# Altium PCB PCB_Tesis.PcbDoc
Units mil, origin at the board's own origin, x right, y up, seen from the top; angles counter-clockwise.
Board outline 3270.03 x 1044.02 mil, 2 copper layers (Top Layer, Bottom Layer); 36 components, 59 nets, 182 pads, 0 vias.
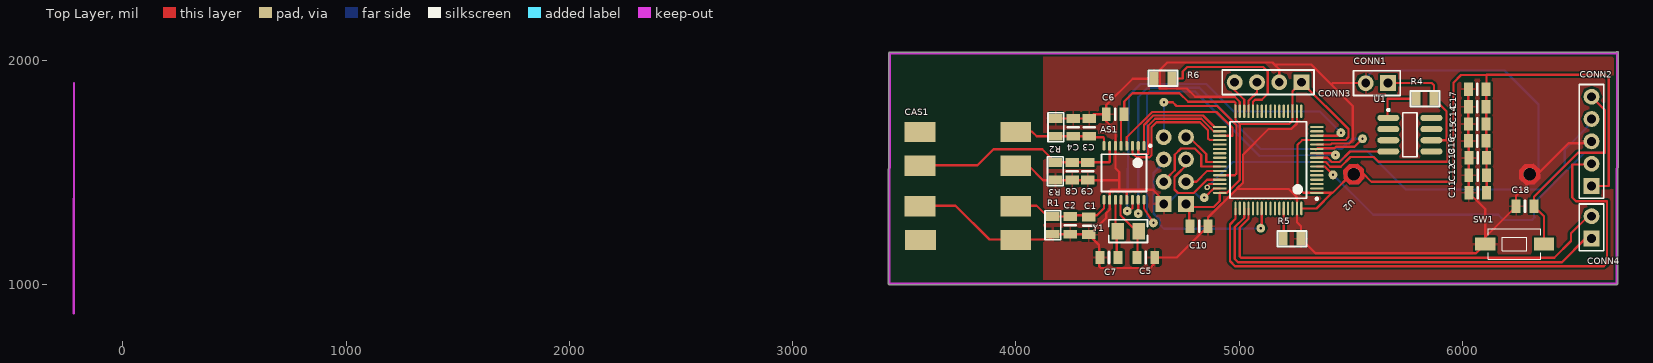
[diagram p0: Top Layer view]
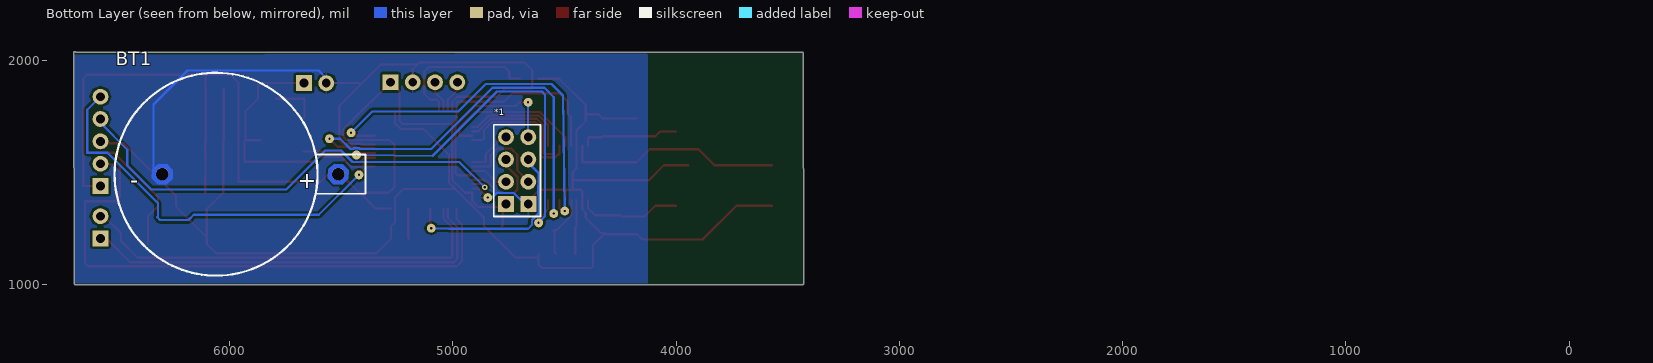
[diagram p1: Bottom Layer view, seen from below]

## Layer stack, top to bottom
Top Solder: solder mask 0.4, Solder Resist, Dk 3.5
Top Layer: signal copper 1.4
Dielectric 1: dielectric 12.6, FR-4, Dk 4.8
Bottom Layer: signal copper 1.4
Bottom Solder: solder mask 0.4, Solder Resist, Dk 3.5

## Board outline
3428.99,1002.01 ccw(c3434,1002) 3434,996.99 6690,996.99 ccw(c6690,1002) 6694.4,999.6 ccw(c6692,1004) 6697.02,1003.99 6699.02,2035.99 ccw(c6694,2036) 6699.02,2036 ccw(c6694,2036) 6689.99,2039.02 3436,2039.02 ccw(c3436,2034) 3430.99,2034.01

## Design rules (kind name [scope] priority, off if disabled: settings)
Clearance [All] p1: gap=10 ignorepadtopadclearanceinfootprint=FALSE except(0: Via-Hole Fill-Hole Poly-Hole Region-Hole Text-Hole; 5: Arc-Arc Arc-Track Arc-SMDPad Arc-THPad Arc-Via Arc-Text Arc-Hole Track-Track Track-SMDPad Track-THPad Track-Via Track-Text Track-Hole SMDPad-SMDPad SMDPad-THPad SMDPad-Via SMDPad-Text SMDPad-Hole THPad-THPad THPad-Via THPad-Text THPad-Hole)
PolygonConnect [All] p1: connectstyle=Relief reliefconductorwidth=10 reliefentries=4 polygonreliefangle="90 Angle" airgapwidth=10
RoutingVias [All] p1: holewidth=28 width=50 viastyle="Through Hole" minholewidth=28 minwidth=50 maxholewidth=28 maxwidth=50
SolderMaskExpansion [All] p1: expansion=4
Width [All] p1: maxlimit=10 minlimit=5 preferedwidth=10 minimp=50.000000 maximp=50.000000 favimp=50.000000
30 further rules are at their usual default settings.

## Classes and differential pairs
component class "Top Sheet": CONN1 CONN2 CONN3 CONN4
component class STM32L152: BT1 C11 C12 C13 C14 C15 C16 C17 C18 R5 R6 SW1 U2
component class NRF24l01: *1 C10
component class LM334: R4 U1
component class AS3933: AS1 C1 C2 C3 C4 C5 C6 C7 C8 C9 CAS1 R1 R2 R3 Y1

## Components (designator, comment, footprint, x,y, rotation, side; value= is the part's Value field where it differs from the comment)
*1 "NRF24l01" NRF24l01 4662,1358 r0 bottom
AS1 "" TSOP65P640X110-16N 4484.23,1498 r270 top
BT1 "Battery" CR2032 6061.05,1492 r180 bottom
C1 "15pF" SMD-0805C 4327.01,1261 r180 top
C2 "330pF" SMD-0805C 4244,1263 r180 top
C3 "15pF" SMD-0805C 4329,1702 r0 top
C4 "330pF" SMD-0805C 4256.5,1702 r0 top
C5 "22pF" SMD-0805C 4582,1119 r270 top
C6 "0.1uF" SMD-0805C 4445,1761 r270 top
C7 "22pF" SMD-0805C 4417,1119 r90 top
C8 "4.7pF" SMD-0805C 4252,1505 r0 top
C9 "220pF" SMD-0805C 4322,1505 r0 top
C10 "10uf" SMD-0805C 4821,1259 r90 top value=10uF
C11 "0.1uF" SMD-0805C 6069,1408.99 r270 top
C12 "0.1uF" SMD-0805C 6068.83,1487 r270 top
C13 "0.1uF" SMD-0805C 6069,1565.01 r270 top
C14 "0.1uF" SMD-0805C 6067,1794 r270 top
C15 "1uF" SMD-0805C 6067,1717 r270 top
C16 "0.1uF" SMD-0805C 6067,1641 r270 top
C17 "1uF" SMD-0805C 6067,1872 r270 top
C18 "0.1uF" SMD-0805C 6281,1348 r270 top
CAS1 "CAS143-47" CAS143-47 3785,1439 r90 top
CONN1 "Connector" "1x2x2.54 Pin Header TH V - duplicate" 5617,1900 r180 top
CONN2 "SWD" "1x5x2.54 Pin Header TH V" 6579,1639 r90 top
CONN3 "Sensor Temperatura" "1x4x2.54 Pin Header TH V" 5130,1904 r180 top
CONN4 "USART" "1x2x2.54 Pin Header TH V" 6579,1254 r90 top
R1 "196k" SMD-0805-RES 4165.99,1263 r0 top
R2 "210k" SMD-0805-RES 4179,1702 r180 top
R3 "287" SMD-0805-RES 4177,1505 r180 top
R4 "Res1" SMD-0805-RES 5833,1830 r90 top value=60.4
R5 "510" SMD-0805-RES 5237,1203 r270 top
R6 "510" SMD-0805-RES 4659,1922 r90 top
SW1 "Switch_Tact" Switch_Tact 6234.11,1179 r0 top
U1 "LM334DT" M08A_M 5765,1669 r0 top
U2 "STM32L152RCT6" STM-LQFP64_L 5131,1556 r180 top
Y1 "32.7khz" "ABRACON ABS07" 4503,1237 r0 top

## Footprints (in the part's own frame and the unit in brackets; to place one, negate y for a bottom-side part, rotate by r counter-clockwise, add the part's x,y. Pads: shape width x height; smd on the part's side, far side on the other; paste and mask are expansions set on the pad)
"1x2x2.54 Pin Header TH V" [mm] "1x2x2.54 Pin Header TH V"
  rect 1.8x1.8 hole 1: 1(-1.27,0)
  round 1.8 hole 1: 2(1.27,0)
  silkscreen extent -2.67,-1.4 2.67,1.4, body extent -2.54,-9.81 2.54,0.32, height 2.51
"1x2x2.54 Pin Header TH V - duplicate" [mm] "1x2x2.54 Pin Header TH V"
  rect 1.8x1.8 hole 1: 1(-1.27,0)
  round 1.8 hole 1: 2(1.27,0)
  silkscreen extent -2.67,-1.4 2.67,1.4
"1x4x2.54 Pin Header TH V" [mm] "1x4x2.54 Pin Header TH V"
  rect 1.8x1.8 hole 1: 1(-3.81,0)
  round 1.8 hole 1: 2(-1.27,0) 3(1.27,0) 4(3.81,0)
  silkscreen extent -5.21,-1.4 5.21,1.4, body extent -5.08,-1.27 5.08,1.27, height 8.55
"1x5x2.54 Pin Header TH V" [mm] "1x5x2.54 Pin Header TH V"
  rect 1.8x1.8 hole 1: 1(-5.08,0)
  round 1.8 hole 1: 2(-2.54,0) 3(0,0) 4(2.54,0) 5(5.08,0)
  silkscreen extent -6.48,-1.4 6.48,1.4, body extent -6.35,-9.88 6.35,0.25, height 2.51
"ABRACON ABS07" [mm] "Crystal, 2-Leads, Body 3.20x1.50mm, IPC Medium Density"
  rect 1.4x1.9 smd: 1(-1.2,0) 2(1.2,0)
  silkscreen extent -2.2,-1.3 2.2,1.3, body extent -1.62,-0.77 1.63,0.78, height 0.9
CAS143-47 [mm]
  rect 2.3x3.5 smd: 1(-6.15,5.4) 2(-2.3,5.45) 3(2.3,5.45) 4(6.15,5.45) 5(-6.15,-5.45) 6(-2.3,-5.45) 7(2.3,-5.45) 8(6.15,-5.45)
  body extent -7.2,-7.1 7.2,7, height 4
CR2032 [mil]
  round 56 hole 56: 1(547.24,0) 2(-240.16,0)
  Top Layer region: 594.23,17.1 568.38,45.32 530.14,46.98 501.93,21.13 500.26,-17.1 526.11,-45.32 564.35,-46.98 592.56,-21.13
  Top Layer region: -193.17,17.1 -219.03,45.32 -257.26,46.98 -285.47,21.13 -287.14,-17.1 -261.29,-45.32 -223.06,-46.98 -194.84,-21.13
  Bottom Layer region: 594.23,17.1 568.38,45.32 530.14,46.98 501.93,21.13 500.26,-17.1 526.11,-45.32 564.35,-46.98 592.56,-21.13
  Bottom Layer region: -193.17,17.1 -219.03,45.32 -257.26,46.98 -285.47,21.13 -287.14,-17.1 -261.29,-45.32 -223.06,-46.98 -194.84,-21.13
  Multi-Layer region: 594.23,17.1 568.38,45.32 530.14,46.98 501.93,21.13 500.26,-17.1 526.11,-45.32 564.35,-46.98 592.56,-21.13
  Multi-Layer region: -193.17,17.1 -219.03,45.32 -257.26,46.98 -285.47,21.13 -287.14,-17.1 -261.29,-45.32 -223.06,-46.98 -194.84,-21.13
  silkscreen extent -454,-454 669,454, body extent -448,-448 682,448, height 272
M08A_M [mm] "SOIC, 8-Leads, Body 4.9x3.9mm, Pitch 1.27mm, IPC Low Density"
  oval 2.5x0.7 smd: 1(-2.45,1.905) 2(-2.45,0.635) 3(-2.45,-0.635) 4(-2.45,-1.905) 5(2.45,-1.905) 6(2.45,-0.635) 7(2.45,0.635) 8(2.45,1.905)
  silkscreen extent -2.57,-2.5 0.8,2.93, body extent -3,-2.45 3,2.45, height 1.63
NRF24l01 [mm] "2.4 Ghz Transiever by Nordic."
  rect 1.8x1.8 hole 1: 1(0,0) 2(2.54,0)
  round 1.8 hole 1: 3(0,-2.54) 4(2.54,-2.54) 5(0,-5.08) 6(2.54,-5.08) 7(0,-7.62) 8(2.54,-7.62)
  silkscreen extent -1.4,-9.02 3.94,1.4, body extent -25,-9.5 4,5.5, height 6.52
SMD-0805-RES [mil]
  rect 60x40 smd: 1(0,40) 2(0,-40)
  silkscreen extent -35,-65 35,65, body extent -24,-39 26,39, height 31
SMD-0805C [mil]
  rect 60x40 smd: 1(0,40) 2(0,-40)
  silkscreen extent -25,0 25,0, body extent -25,-39 25,39, height 35
STM-LQFP64_L [mm] "Thin QFP, 64-Leads, Body 10x10mm, Pitch 0.5mm, IPC High Density"
  oval 1.55x0.25 smd: 1(-5.525,3.75) 2(-5.525,3.25) 3(-5.525,2.75) 4(-5.525,2.25) 5(-5.525,1.75) 6(-5.525,1.25) 7(-5.525,0.75) 8(-5.525,0.25) 9(-5.525,-0.25) 10(-5.525,-0.75) 11(-5.525,-1.25) 12(-5.525,-1.75) 13(-5.525,-2.25) 14(-5.525,-2.75) 15(-5.525,-3.25) 16(-5.525,-3.75) 33(5.525,-3.75) 34(5.525,-3.25) 35(5.525,-2.75) 36(5.525,-2.25) 37(5.525,-1.75) 38(5.525,-1.25) 39(5.525,-0.75) 40(5.525,-0.25) 41(5.525,0.25) 42(5.525,0.75) 43(5.525,1.25) 44(5.525,1.75) 45(5.525,2.25) 46(5.525,2.75) 47(5.525,3.25) 48(5.525,3.75)
  oval 0.25x1.55 smd: 17(-3.75,-5.525) 18(-3.25,-5.525) 19(-2.75,-5.525) 20(-2.25,-5.525) 21(-1.75,-5.525) 22(-1.25,-5.525) 23(-0.75,-5.525) 24(-0.25,-5.525) 25(0.25,-5.525) 26(0.75,-5.525) 27(1.25,-5.525) 28(1.75,-5.525) 29(2.25,-5.525) 30(2.75,-5.525) 31(3.25,-5.525) 32(3.75,-5.525) 49(3.75,5.525) 50(3.25,5.525) 51(2.75,5.525) 52(2.25,5.525) 53(1.75,5.525) 54(1.25,5.525) 55(0.75,5.525) 56(0.25,5.525) 57(-0.25,5.525) 58(-0.75,5.525) 59(-1.25,5.525) 60(-1.75,5.525) 61(-2.25,5.525) 62(-2.75,5.525) 63(-3.25,5.525) 64(-3.75,5.525)
  silkscreen extent -5.65,-4.35 4.35,4.55, body extent -6,-6 6,6, height 1.6
Switch_Tact [mm] "6.0*3.5mm vertical type, SMD, height 4.3mm, salmon actuator, 360gf, T&R"
  rect 2.3x1.5 smd: 1(-3.35,0) 2(3.35,0)
  silkscreen extent -3,-1.75 3,1.75, body extent -4,-1.8 4,1.8, height 2.5
TSOP65P640X110-16N [mm] "TSOP, 16-Leads, Body 5.00x4.40mm, Pitch 0.65mm, IPC Medium Density"
  oval 1.1x0.35 smd: 1(-3.075,2.275) 2(-3.075,1.625) 3(-3.075,0.975) 4(-3.075,0.325) 5(-3.075,-0.325) 6(-3.075,-0.975) 7(-3.075,-1.625) 8(-3.075,-2.275) 9(3.075,-2.275) 10(3.075,-1.625) 11(3.075,-0.975) 12(3.075,-0.325) 13(3.075,0.325) 14(3.075,0.975) 15(3.075,1.625) 16(3.075,2.275)
  silkscreen extent -3.2,-2.55 2.12,3.13, body extent -3.34,-2.55 3.09,2.55, height 1.11

## Part data
AS1 CAS1: library part Component_1
BT1: "Multicell Battery", LatestRevisionDate=17-Jul-2002, LatestRevisionNote="Re-released for DXP Platform.", PackageDescription="Battery; 2 Leads", PackageReference=BAT-2, Published=24-Mar-1999, Publisher="Altium Limited"
C1 C3: library part CC0805FRNPO9BN150, "Cap Ceramic 15pF 50V C0G 1%  0805", Manufacturer=Yaego, Package / Case=0805, Tolerance=1%, Voltage=50V, Part Number=CC0805FRNPO9BN150
C2 C4: library part CC0805GRNPO9BN331, "Cap Ceramic 330pF 50V C0G 2%  0805", Manufacturer=Yageo, Package / Case=0805, Tolerance=2%, Voltage=50V, Part Number=CC0805GRNPO9BN331
C5 C7: library part CL21C220JBANNND, "Cap Ceramic 22pF 50V C0G 5%0805", Manufacturer="Samsung Electro-Mechanics", Package / Case=0805, Tolerance=1%, Voltage=100V, Part Number=CL21C220JBANNND
C6 C11 C12 C13 C14 C16 C18: library part CL21B104JBCNNNC, "CAP CER 0.1uF 50V X7T 0805", Manufacturer="Samsung Electro-Mechanics", Package / Case=0805, Part Number=GC321AD72E103KX01D, Tolerance=5%, Voltage=50V
C8: library part CL21C4R7BBANNNC, "Cap Ceramic 4.7pF 50V C0G 0.1pF  0805", Manufacturer="Samsung Electro-Mechanics", Package / Case=0805, Tolerance=0.1pF, Voltage=50V, Part Number=CL21C4R7BBANNNC
C9: library part GCM2165C2A221FA16D, "Cap Ceramic 220pF 100V C0G 1% 0805", Manufacturer="Murata Manufacturing", Package / Case=0805, Tolerance=1%, Voltage=100V, Part Number=GCM2165C2A221FA16D
C10: library part EKA00AA247F00, "Aluminum Electrolytic Capacitor, Radial Style with Long Leads: 47uF, 35V", ComponentLink1Description="Manufacturer Link", ComponentLink1URL=http://www.vishay.com/, ComponentLink2Description=Datasheet, ComponentLink2URL=http://www.vishay.com/docs/25014/eka.pdf, DatasheetDocument=20-Feb-2001, DrillSize="Nominal, Rounded To The Nearest 0.1mm", Note="Refer to Manufacturer's Data Sheets for other lead formations", PackageReference=CAPPR2-5X11, Published=19-Mar-2004, Publisher="Altium Limited"
C15 C17: library part CL21B105KOFNNNG, "CAP CER 1uF 16V X7T 0805", Manufacturer="Samsung Electro-Mechanics", Package / Case=0805, Tolerance=10%, Voltage=16V, Part Number=CL21B105KOFNNNG
CONN1 CONN4: library part "Header 1x2"
CONN2: library part "Header 1x5"
CONN3: library part "Header 1x4"
R1: library part ERJ-6ENF1963V, "RES SMD 196K OHM 1% 1/8W 0805", Digi-Key Part Number=P196KCCT-ND, Manufacturer="Panasonic Electronic Components", Operating Temperature="-55°C ~ 155°C", Package / Case="0805 (2012 Metric)", Power (Watts)="0.125W, 1/8W", Supplier Device Package=0805, Temperature Coefficient=±100ppm/°C, Tolerance=±1%, @ qty=1500, Composition="Thick Film", Datasheets=http://industrial.panasonic.com/www-cgi/jvcr13pz.cgi?E+PZ+3+AOA0002+ERJ6ENF1963V+7+WW, Factory Stock=0, Failure Rate=-, Features="Automotive AEC-Q200", Height - Seated (Max)="0.028\" (0.70mm)", Image=//media.digikey.com/Renders/Panasonic%20Renders/ERJ-0805%20Pkg.jpg, Minimum Quantity=1, Number of Terminations=2, Packaging="Cut Tape (CT)", Part Number=ERJ-6ENF1963V, Part Status=Active, Quantity Available=10095, Series=ERJ, Size / Dimension="0.079\" L x 0.049\" W (2.00mm x 1.25mm)", Unit Price (USD)=0.00729
R2: library part ERJ-6ENF2103V, "RES SMD 210K OHM 1% 1/8W 0805", Digi-Key Part Number=P210KCCT-ND, Manufacturer="Panasonic Electronic Components", Operating Temperature="-55°C ~ 155°C", Package / Case="0805 (2012 Metric)", Power (Watts)="0.125W, 1/8W", Supplier Device Package=0805, Temperature Coefficient=±100ppm/°C, Tolerance=±1%, @ qty=1500, Composition="Thick Film", Datasheets=http://industrial.panasonic.com/www-cgi/jvcr13pz.cgi?E+PZ+3+AOA0002+ERJ6ENF2103V+7+WW, Factory Stock=0, Failure Rate=-, Features="Automotive AEC-Q200", Height - Seated (Max)="0.028\" (0.70mm)", Image=//media.digikey.com/Renders/Panasonic%20Renders/ERJ-0805%20Pkg.jpg, Minimum Quantity=1, Number of Terminations=2, Packaging="Cut Tape (CT)", Part Number=ERJ-6ENF2103V, Part Status=Active, Quantity Available=47308, Series=ERJ, Size / Dimension="0.079\" L x 0.049\" W (2.00mm x 1.25mm)", Unit Price (USD)=0.00729
R3: library part ERJ-6ENF2870V, "RES SMD 287 OHM 1% 1/8W 0805", Digi-Key Part Number=P287CCT-ND, Manufacturer="Panasonic Electronic Components", Operating Temperature="-55°C ~ 155°C", Package / Case="0805 (2012 Metric)", Power (Watts)="0.125W, 1/8W", Supplier Device Package=0805, Temperature Coefficient=±100ppm/°C, Tolerance=±1%, @ qty=1500, Composition="Thick Film", Datasheets=http://industrial.panasonic.com/www-cgi/jvcr13pz.cgi?E+PZ+3+AOA0002+ERJ6ENF2870V+7+WW, Factory Stock=0, Failure Rate=-, Features="Automotive AEC-Q200", Height - Seated (Max)="0.028\" (0.70mm)", Image=//media.digikey.com/Renders/Panasonic%20Renders/ERJ-0805%20Pkg.jpg, Minimum Quantity=1, Number of Terminations=2, Packaging="Cut Tape (CT)", Part Number=ERJ-6ENF2870V, Part Status=Active, Quantity Available=41477, Series=ERJ, Size / Dimension="0.079\" L x 0.049\" W (2.00mm x 1.25mm)", Unit Price (USD)=0.00729
R4: "Resistor", LatestRevisionDate=17-Jul-2002, LatestRevisionNote="Re-released for DXP Platform.", PackageDescription="Axial Device, Thru-Hole; 2 Leads; 0.3 in Pin Spacing", PackageReference=AXIAL-0.3, Published=8-Jun-2000, Publisher="Altium Limited"
R5 R6: library part ERJ-6GEYJ511V, "RES SMD 510 OHM 5% 1/8W 0805", Digi-Key Part Number=P510ACT-ND, Manufacturer="Panasonic Electronic Components", Operating Temperature="-55°C ~ 155°C", Package / Case="0805 (2012 Metric)", Power (Watts)="0.125W, 1/8W", Supplier Device Package=0805, Temperature Coefficient=±200ppm/°C, Tolerance=±5%, @ qty=1500, Composition="Thick Film", Datasheets=http://industrial.panasonic.com/www-cgi/jvcr13pz.cgi?E+PZ+3+AOA0001+ERJ6GEYJ511V+7+WW, Factory Stock=0, Failure Rate=-, Features="Automotive AEC-Q200", Height - Seated (Max)="0.028\" (0.70mm)", Image=//media.digikey.com/Renders/Panasonic%20Renders/ERJ-0805%20Pkg.jpg, Minimum Quantity=1, Number of Terminations=2, Packaging="Cut Tape (CT)", Part Number=ERJ-6GEYJ511V, Part Status=Active, Quantity Available=116915, Series=ERJ, Size / Dimension="0.079\" L x 0.049\" W (2.00mm x 1.25mm)", Unit Price (USD)=0.00496
SW1: "WS-TASV SMD Tact Switch 6.0X3.5 mm", PartNumber=434121050836, ComponentLink1Description="Manufacturer URL", ComponentLink1URL=http://www.we-online.com, ComponentLink2Description=Datasheet, ComponentLink2URL=http://katalog.we-online.de/em/datasheet/434121050836.pdf, NoPins=04, PackageReference=434121050836
U1: "3-Terminal Adjustable Current Source, 8-pin Narrow SOIC", Manufacturer="National Semiconductor", PackageTopMarking=NSZXTT*LM334*M, PartNumber=LM334M, PowerWise=N, Code_IPC=SOIC127P600-8, Code_JEDEC=MS-012-AA, ComponentLink1Description="Manufacturer URL", ComponentLink1URL=http://www.national.com/, ComponentLink2Description="LM334 Datasheet", ComponentLink2URL=http://www.national.com/ds/LM/LM334.pdf, ComponentLink3Description="LM334 Web Page", ComponentLink3URL=http://www.national.com/pf/LM/LM334.html, ComponentLink4Description="M08A Package Page", ComponentLink4URL=http://www.national.com/packaging/folders/m08a.html, CompType=MiscPower, DatasheetVersion=Mar-2005, High-Reliability=Y, PackageDescription="SOIC Narrow, 4.9 x 3.9 x 1.45mm, 8 Lead, 1.27mm Pitch", PackageReference=M08A, PackageVersion="revM, May-2009", PinCount=8, RoHS=N
U2: "ARM Cortex-M3 32-bit MCU, 256 KB Flash, 32 KB Internal RAM, 51 I/Os, 64-pin LQFP, -40 to 85 degC, Tray", I/Os (High Current)=51, Manufacturer=STMicroelectronics, Operating Frequency(F) (Processor speed) (MHz)=32, Supply Voltage(Vcc) min (V)=1.65, ComponentLink1Description="Manufacturer URL", ComponentLink1URL=http://www.st.com/web/en/home.html, ComponentLink2Description=Datasheet, ComponentLink2URL=http://www.st.com/st-web-ui/static/active/en/resource/technical/document/datasheet/DM00048356.pdf, ComponentLink3Description="Package Specification", ComponentLink3URL=http://www.st.com/st-web-ui/static/active/en/resource/technical/document/datasheet/DM00037051.pdf, Core="ARM Cortex-M3", D/A Converter="2x12-bit (2 Channel)", Data E2PROM nom (B)=8192, DatasheetVersion="Rev. 3", Display controller="LCD 4x32/8x28", FLASH Size (Prog) (kB)=256, Internal RAM Size (kB)=32, Mounting Technology="Surface Mount", PackageDescription="64-Pin Low Profile Quad Flat Package, 10 x 10 mm Body, 0.5 mm Pitch", PackageReference=LQFP64, PackageVersion="Rev. 4, 06/2013", Packing=Tray, PartNumber=STM32L152RCT6
Y1: library part "Abracon Crystal ABS07", "SMT Crystal"

## Free pads (board coordinates)
  round 40 hole 10: 3(4844,1387) 4(5097,1250) 6(5553,1651) 7(5432,1578) 8(4616,1274) 9(4548.21,1315.79) 10(4499,1326.65) 11(5456,1678) 16(5420.57,1489) 18(4663,1814)
  round 25 hole 11: 15(4857,1433)

## Nets (pads, with @x,y where several pads share a name; then routed paths per layer and width w, separated by ;. In a path a pad name is that pad's centre, name@x,y a point inside that pad or via, vN(x,y) a via of type N, cw(c..) or ccw(c..) an arc to the next point about the centre after c; other vN are vias at no path point)
BOOT0: R5.2 U2.60 | length 136.7
  Top Layer w10: R5.2 5199.9,1205.9 U2.60
GND: *1.1 AS1.6 AS1.10 AS1.13 BT1.2 C1.1 C2.1 C3.1 C4.1 C5.1 C6.2 C7.1 C8.2 C9.2 C10.2 C11.2 C12.2 C13.2 C14.2 C15.2 C16.2 C17.2 C18.2 CAS1.2 CAS1.5 CAS1.7 CONN1.2 CONN2.3 CONN3.2 pad.3 R1.2 R2.2 R3.1 R5.1 R6.1 SW1.1 U2.12 U2.18 U2.31 U2.47 U2.63 | length 10601.7
  Top Layer w10: CAS1.2@3571,1351 3730,1351 3881.57,1199.43 4150.43,1199.43 4174,1223 C2.1 4314,1223 C1.1@4319,1228 ; CAS1.7@3945.9,1532.1 4054.9,1532.1 4122,1465 R3.1 C8.2 C9.2 4463,1465 ; R2.2 C4.1 C3.1 4348,1761 C6.2 ; AS1.13 4497.03,1410.97 4486,1422 ; C5.1@4617,1135 4617,1087 4602,1072 4380,1072 4372,1080 4372,1175 C1.1@4319,1228 ; R6.1@4618,1920 4523,1920 4405,1802 C6.2 ; C5.1 4721,1119 C10.2 4861,1298 4989,1426 5222,1426 5259,1389 U2.63 U2.63 5258.95,1277.05 5277,1259 R5.1 5342,1138 6061.22,1138 SW1.1 6102.22,1209.22 ; *1.1@4677,1358 4613,1422 4486,1422 ; pad.3 4864,1406 4886.05,1428.05 U2.47 ; 4991,1428.05 5018,1455.05 5018,1580 5133,1695 5235,1695 5258.95,1718.95 U2.18 ; U2.31 5003.05,1815.95 4980,1839 4803,1839 4766,1876 4645,1876 4645,1959 4678,1992 5150,1992 5159,1983 ; CONN3.2 5180,1962 5159,1983 ; U2.12 5410.9,1624.9 5415.58,1629.58 5493.58,1629.58 5509,1645 5509,1797 5413.5,1892.5 ; CONN1.2 5421,1900 5413.5,1892.5 ; C17.2 C14.2 C15.2 C16.2 6029,1639 C13.2 6029,1487.17 C12.2 6028.83,1409.16 C11.2 6102.22,1335.77 6102.22,1209.22 ; CONN2.3 6571,1631 6475.16,1631 6334.16,1490 6241,1396.84 C18.2 6102.22,1209.22 ; C1.1@4319,1228 4337,1228 4405,1296 4405,1318 4420.25,1333.25 AS1.10 4420.25,1416.25 4426,1422 4463,1422 ; C6.2 4405,1729 4445.84,1688.16 AS1.6 4445.84,1519.16 4463,1502 4463,1465 ; 4463,1422 4486,1422 ; 4463,1422 4463,1465 ; 5159,1983 5323,1983 5413.5,1892.5
  Bottom Layer w10: *1.1@4677,1358 4727,1408 4804,1408 4829.35,1382.65 pad.3 ; CONN1.2 5567,1922 5601,1956 6189,1956 6341.16,1803.84 6341.16,1497
LF1P: AS1.9 C1.2 C2.2 CAS1.6 R1.1 | length 466.9
  Top Layer w10: CAS1.6@4000.13,1351 4093,1351 4141,1303 R1.1 C2.2 4249,1308 4363,1308 4394.66,1339.66 AS1.9
LF2P: AS1.8 C3.2 C4.2 CAS1.8 R2.1 | length 441.4
  Top Layer w10: CAS1.8@4000.13,1683.68 4071.32,1683.68 4093,1662 R2.1 C4.2 C3.2 4334,1657 4391,1657 4394.66,1653.34 AS1.8
LF3P: AS1.7 C8.1 C9.1 CAS1.3 R3.2 | length 976.8
  Top Layer w10: CAS1.3@3571,1532.1 3828.1,1532.1 3900,1604 4118,1604 R3.2 C8.1 C9.1 4419,1545 4420.25,1546.25 AS1.7
NetAS1_11: AS1.11 C7.2 Y1.1 | length 244.7
  Top Layer w10: AS1.11@4446,1376.78 AS1.11 4445.84,1257.91 4452,1251.76 C7.2@4452,1135
NetAS1_12: AS1.12 C5.2 Y1.2 | length 291
  Top Layer w10: AS1.12 4469,1374.5 4469,1308 4535,1242 Y1.2@4545.24,1242 ; C5.2@4537,1135 4545.24,1143.24 Y1.2@4545.24,1242 ; Y1.2 Y1.2@4545.24,1242
NetR4_1: R4.1 U1.1 | length 215.5
  Top Layer w10: U1.1 5665,1747.54 5665,1830 R4.1
NRST: C18.1 CONN2.5 pad.16 SW1.2 U2.7 | length 2736.1
  Top Layer w10: U2.7 5383.1,1526.47 pad.16 ; SW1.2 6366,1303 C18.1 6321,1391 6518,1588 6639,1588 6639,1779 CONN2.5
  Bottom Layer w10: pad.16 5601,1310 6161,1310 6184,1287 6312,1287 6324,1299 6321,1302 6321,1362 6547,1588 6638,1588 6638,1780.87 6579.87,1839 CONN2.5
PA0: AS1.14 pad.10 pad.11 U2.14 | length 1756.3
  Top Layer w10: pad.10 4522.62,1339.62 AS1.14 ; U2.14 5442.27,1664.27 pad.11
  Bottom Layer w10: pad.10 4507,1845 4558,1896 4853,1896 4976,1773 5361,1773 pad.11
PA1: U2.15
PA2: U2.16
PA3: U2.17
PA4: U2.20
PA5: U2.21
PA6: U2.22
PA7: U2.23
PA8: *1.8 U2.41 | length 202.7
  Top Layer w10: *1.8@4777,1658 4853,1582 4853,1548 4854.84,1546.16 U2.41
PA9: *1.3 U2.42 | length 411.2
  Top Layer w10: *1.3@4677,1458 4677,1475 4712,1510 4712,1579 4740,1607 4801,1607 4830,1578 4830,1528 4831.53,1526.47 U2.42
PA10: *1.4 U2.43 | length 156.7
  Top Layer w10: *1.4@4777,1458 4809,1458 4857.79,1506.79 U2.43
PA11: *1.7 pad.18 U2.44 | length 836.4
  Top Layer w10: pad.18 4703,1814 4720,1797 4902,1797 4988,1711 4988,1495 4980.1,1487.1 U2.44 ; *1.7@4677,1658 *1.7@4688,1647
  Bottom Layer w10: *1.7@4662,1655 *1.7 4663,1659 pad.18
PA12: *1.6 U2.45 | length 395.6
  Top Layer w10: *1.6@4777,1558 4777,1545 4711,1479 4711,1423 4726,1408 4797,1408 4856.42,1467.42 U2.45
PA13: CONN2.4 pad.15 U2.46 | length 2103.5
  Top Layer w10: pad.15@4858,1441 4860,1441 4866.73,1447.73 U2.46
  Bottom Layer w10: pad.15 4971,1547 5450,1547 5501,1598 5572,1598 5747,1423 6351,1423 6459,1531 6459,1602 6579,1722 CONN2.4
PA14: CONN2.2 U2.49 | length 2625.6
  Top Layer w10: U2.49 4983.36,1291.36 4959,1267 4959,1103 4982,1080 6634,1080 6648,1094 6648,1371 6509,1371 6492,1388 6492,1535 6575,1535 CONN2.2
PA15: U2.50
PB0: U2.26
PB1: U2.27
PB2: R6.2 U2.28 | length 700.3
  Top Layer w10: R6.2 4700,1921 4748,1921 4748,1952 4768,1972 5108,1972 5128,1952 5128,1852 5101,1825 5071,1825 5062.1,1816.1 U2.28
PB3: *1.5 pad.4 U2.55 | length 879.2
  Top Layer w10: pad.4 5101.47,1257.47 U2.55
  Bottom Layer w10: *1.5@4677,1558 4616.57,1497.57 4616.57,1439.18 4618,1437.75 4618,1399.01 4616.57,1397.58 4616.57,1315.86 4646,1286.43 4646,1265 4663,1248 5018,1248 pad.4
PB4: U2.56
PB5: U2.57
PB6: U2.58
PB7: U2.59
PB8: U2.61
PB9: U2.62
PB10: CONN3.3 U2.29 | length 146
  Top Layer w10: U2.29 5042.42,1820.42 5080,1858 CONN3.3
PB11: CONN3.4 U2.30 | length 148.2
  Top Layer w10: CONN3.4 4980,1868 5022.73,1825.27 U2.30
PB12: AS1.1 U2.33 | length 472.2
  Top Layer w10: AS1.1 4573.8,1712.8 4616,1755 4838,1755 4889.36,1703.64 U2.33
PB13: AS1.2 U2.34 | length 563.7
  Top Layer w10: AS1.2 4548.21,1583 4593,1583 4593,1709 4624,1740 4831,1740 4872.97,1698.03 4872.97,1697.46 4886.47,1683.95 U2.34
PB14: AS1.4 U2.35 | length 681.7
  Top Layer w10: AS1.4 4497.03,1657.24 4610.79,1771 4899,1771 4971,1699 4971,1664 4913.75,1664 U2.35
PB15: AS1.3 U2.36 | length 628.4
  Top Layer w10: AS1.3 4522.62,1580.38 4529.61,1580.38 4541.99,1568 4599.21,1568 4608,1576.79 4608,1702.79 4630.21,1725 4824.79,1725 4824.79,1724.43 4861,1688.21 4861,1652 4868.42,1644.58 U2.36
PC0: CONN1.1 R4.2 U1.6 U2.8 | length 1264.7
  Top Layer w10: U2.8 5387.63,1546.16 5408.79,1525 5455,1525 5499,1569 5603,1569 5624,1548 5933,1548 5933,1640 5929,1644 ; CONN1.1 5863,1900 5873,1890 R4.2 5929,1774 5929,1644 ; U1.6 5929,1644
PC1: U1.4 U2.9 | length 348.1
  Top Layer w10: U2.9 5396.16,1565.84 5416,1546 5449,1546 5497,1594 U1.4
PC2: AS1.16 pad.7 pad.8 U2.10 | length 1774.5
  Top Layer w10: AS1.16 4573.8,1338.2 pad.8 ; U2.10 5413.47,1585.53 pad.7
  Bottom Layer w10: pad.8@4603,1286.79 pad.8 4588,1302 4588,1849 4601,1862 4802,1862 5091,1573 pad.7
PC3: AS1.15 pad.6 pad.9 U2.11 | length 1967.9
  Top Layer w10: pad.9 AS1.15 ; U2.11@5343.52,1604.21 U2.11@5348.57,1604.65 ; U2.11 5351.31,1608 5427.42,1608 5434,1614.58 5499.8,1614.58 5500.21,1615 5517,1615 pad.6
  Bottom Layer w10: pad.9 4548.21,1837.21 4590,1879 4823,1879 5096.79,1605.21 5416.79,1605.21 5419.57,1608 5444.43,1608 5447.21,1605.21 5459.21,1605.21 5505,1651 pad.6
PC4: U2.24
PC5: U2.25
PC6: U2.37
PC7: U2.38
PC8: U2.39
PC9: U2.40
PC10: CONN4.1 U2.51 | length 1891.5
  Top Layer w10: U2.51 5022.73,1296.73 4981,1255 4981,1112 4995,1098 6446.21,1098 6552.21,1204 CONN4.1
PC11: CONN4.2 U2.52 | length 1906.3
  Top Layer w10: U2.52 5042.42,1292.42 5003,1253 5003,1124 5009,1118 6412,1118 6487,1193 6487,1227 6564,1304 CONN4.2
PC12: U2.53
PC13: U2.2
PC14: U2.3
PC15: U2.4
PD2: U2.54
VCC: *1.2 AS1.5 BT1.1 C6.1 C10.1 C11.1 C12.1 C13.1 C14.1 C15.1 C16.1 C17.1 CONN2.1 CONN3.1 U2.1 U2.13 U2.19 U2.32 U2.48 U2.64 | length 5851.7
  Top Layer w10: AS1.5 4471.44,1747.44 C6.1 4485,1818 4522,1855 4733,1855 4772,1816 4979,1816 4983.36,1811.64 U2.32 4983.36,1736.85 5003,1717.21 5003,1717 ; C10.1 4777,1263 4777,1345 4886.79,1345 4913.48,1371.69 U2.48 4945.36,1408.36 5003,1466 5003,1717 ; U2.64 5346.52,1338.48 5416.4,1408.36 ; C11.1 6109,1486.83 C12.1 6108.83,1564.84 C13.1 6109,1639 C16.1 C15.1 C14.1 C17.1 6108,1873 6108,1936 ; CONN2.1 6656,1439 6656,1921 6640,1937 6108,1937 ; 5003,1717 5225,1717 5239.27,1731.27 U2.19 5239.27,1863.27 CONN3.1 5490,1694 5490,1658.17 5476.42,1644.58 U2.13 5282.58,1644.58 5262,1624 5262,1435 5288.64,1408.36 U2.1 5416.4,1408.36 ; 5416.4,1408.36 5418.96,1408.36 5507.6,1497 5553.6,1497 5592.6,1458 5961,1458 5961,1903 5994,1936 6108,1936 ; 6108,1936 6109,1936 6108,1937 ; 6108,1936 6108,1937
pads on no net: CAS1.1 CAS1.4 U1.2 U1.3 U1.5 U1.7 U1.8 U2.5 U2.6

## Polygon pours and split planes (outlines as drawn)
GND on Top Layer "Ground_Plane" (solid, pour order 0): 6694,2036 6692,2034 4123,2036.01 4123,990 4137,1004 6692,1004
GND on Bottom Layer "Ground_Plane2" (solid, pour order 2): 4128,2034.03 4128,1003.99 6696,1003.99 6696,2028

## Keep-outs
Top Layer:
  lines w10: -221,869 -219,1901 ; 6690,1002 3434,1002 3436,2034 6692,2034 ; 6692,1004 6694,2036

## Text inside footprints (layer, text, board x,y; h text height)
BT1: Bottom Overlay "+" at 5696.09,1429.2 h73.82; Bottom Overlay "-" at 6446.28,1429.12 h73.82